# Altium PCB cPCIs_controller.pcbdoc (part 2 of 4) (continued)
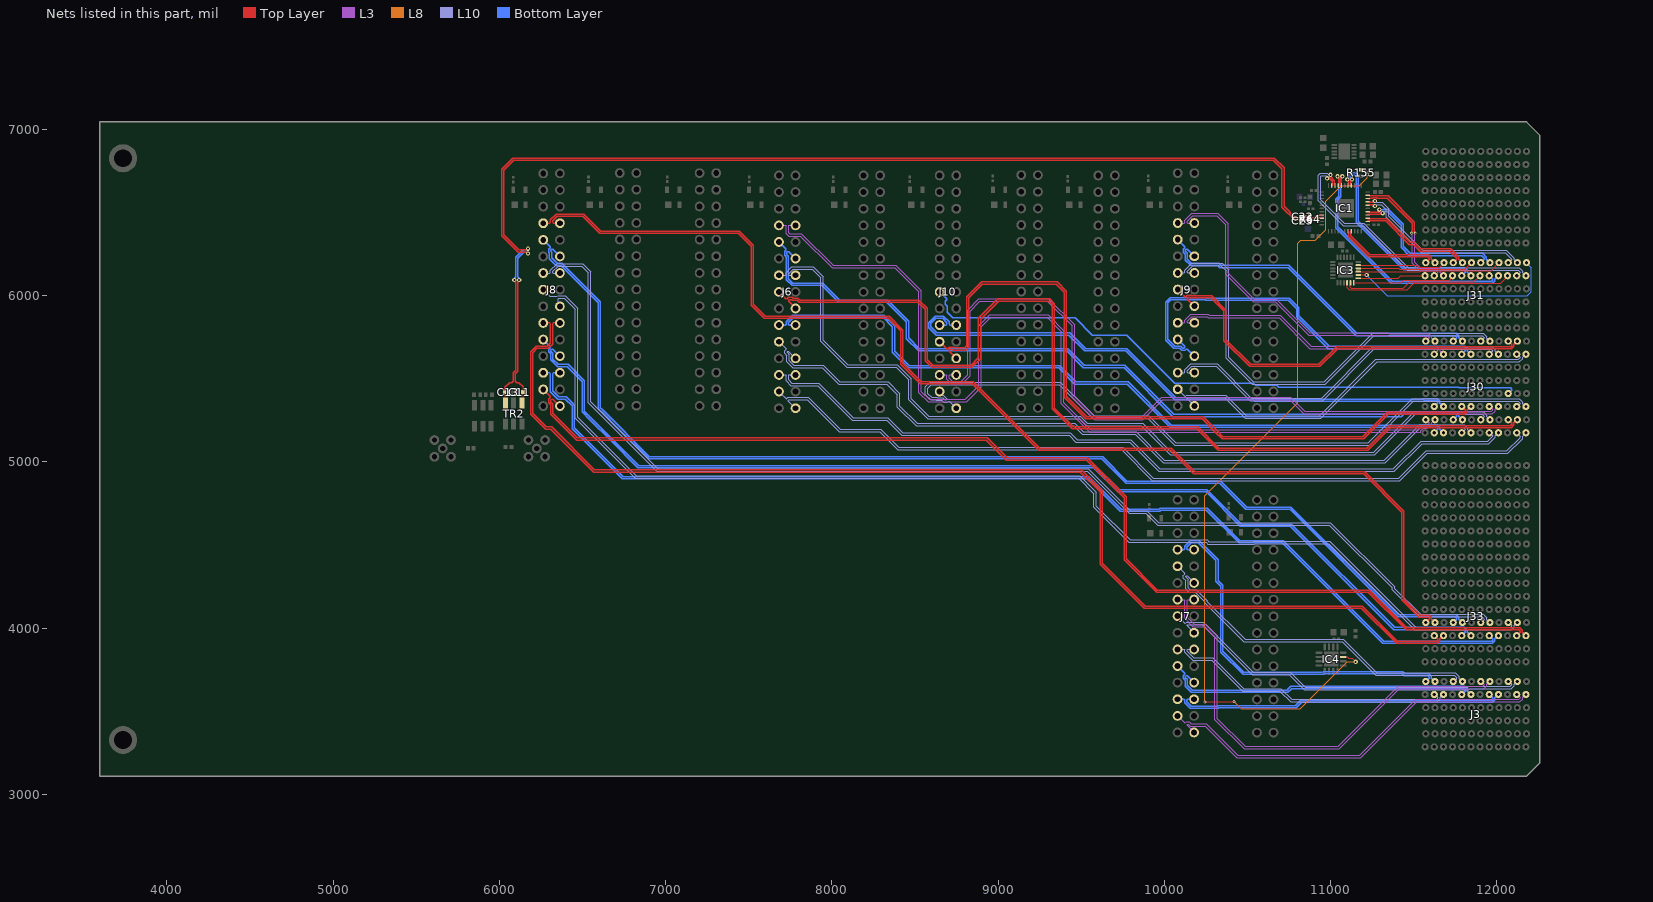
[diagram p12: the nets of this part, all layers, seen from the top]
## Nets (pads, with @x,y where several pads share a name; then routed paths per layer and width w, separated by ;. In a path a pad name is that pad's centre, name@x,y a point inside that pad or via, vN(x,y) a via of type N, cw(c..) or ccw(c..) an arc to the next point about the centre after c; other vN are vias at no path point) (continued)
8_PE_CLK_P: IC1.30 J31.K6 | length 608.1
  Top Layer w8: IC1.30@11125.57,6387.26 11122.23,6383.92 11122.23,6361 11236.23,6247 11591.17,6247 11607.43,6230.74 11607.43,6218.72 11627.34,6198.82 J31.K6@11628.49,6198.82
8_PE_CLKE#: IC3.17 J31.J6 | length 533.2
  Top Layer w5: IC3.17@11167.77,6183.53 11519.47,6183.53 11531.88,6171.12 11584.85,6171.12 11617.02,6171.12 11657.12,6171.12 11683.61,6197.61 J31.J6@11683.61,6198.82
AUX_DCXO_C_N: C13.1 C23.1 TR2.4 | length 6694.9
  Top Layer w8: TR2.4@6036,5353.6 6032.71,5356.89 C13.1@6032.71,5419 6032.71,5448.71 6061,5477 6074,5477 6083,5486 6083,5535 6098,5550 6098,6081.17 6089.93,6089.24 v1(6089.93,6094) ; v1(6172,6283) 6167.24,6283 6159.17,6274.93 6117.54,6274.93 6027,6365.47 6027,6756 6086,6815 10657,6815 10708,6764 10708,6532.77 10784.27,6456.5 10812.72,6456.5 C23.1@10819.22,6450
  Bottom Layer w8: v1(6089.93,6094) 6093.3,6097.37 6093.3,6109.3 6098,6114 6098,6230.2 6142.73,6274.93 6159.17,6274.93 6167.24,6283 v1(6172,6283)
AUX_DCXO_C_P: C11.2 C22.1 TR2.6 | length 6716
  Top Layer w8: v1(6119.07,6094) 6119.07,6089.24 6111,6081.17 6111,5544.62 6096,5529.62 6096,5486 6105,5477 6118,5477 6142.29,5452.71 C11.2@6142.29,5419 6142.29,5359.89 TR2.6@6136,5353.6 ; v1(6172,6253.87) 6167.24,6253.87 6159.17,6261.93 6112.15,6261.93 6014,6360.09 6014,6761.38 6050.74,6798.13 6080.62,6828 10662.38,6828 10721,6769.38 10721,6538.15 10789.65,6469.5 10812.72,6469.5 C22.1@10819.22,6476
  Bottom Layer w8: v1(6119.07,6094) 6115.7,6097.37 6115.7,6109.3 6111,6114 6111,6224.81 6148.12,6261.93 6159.17,6261.93 6167.24,6253.87 v1(6172,6253.87)
AUX_DCXO_N: C23.2 IC1.20 R64.2 | length 107.5
  Top Layer w8: C23.2@10848.78,6449.66 R64.2@10872.5,6449.66 ; R64.2@10877,6442.5 10877,6444 10888,6455 10911,6455 10925.34,6469.34 10944.04,6469.34 IC1.20@10947.38,6466
AUX_DCXO_P: C22.2 IC1.19 R64.1 | length 105.9
  Top Layer w8: C22.2@10848.78,6474.66 R64.1@10873.5,6474.66 ; R64.1@10877,6479.5 10887,6469.5 10906.28,6469.5 10919.12,6482.34 10944.04,6482.34 IC1.19@10947.38,6485.69
CLK_DIV: IC4.11 R155.1 | length 4880.8
  Top Layer w5: v2(10244,3556) 10245,3557 10419,3557 v2(10420,3558) ; IC4.11@11076.83,3826.8 11101.2,3826.8 11110,3818 11131.24,3818 v1(11152,3797.24) ; R155.1@11185,6757.5 11209.5,6757.5 11220.66,6746.34 11220.66,6729 v1(11219.97,6728.31)
  L8 w5: v2(10244,3556) 10244,4796 10804,5356 10804,6315.73 10821,6332.73 10908.75,6332.73 10972,6395.98 10972,6567.67 11066.33,6662 11172.89,6662 11219.97,6709.09 v1(11219.97,6728.31) ; v2(10420,3558) 10464,3514 10817,3514 11100.24,3797.24 v1(11152,3797.24)
EXT0.LVDS_0_N: J6.3 J30.B1 | length 4820.4
  L10 w5: J6.3@7682,5423 7724.63,5380.38 7728.77,5380.38 7736.09,5387.7 7767,5387.7 7767.27,5387.43 7858.78,5387.43 8050.21,5196 8294,5196 8403,5087 9749.21,5087 9935.21,4901 11410.79,4901 11575.79,5066 12061.5,5066 12140.68,5145.18 12140.68,5155.14 J30.B1@12120.62,5175.2
EXT0.LVDS_0_P: J6.2 J30.A1 | length 4832.9
  L10 w5: J6.2@7782,5323 7739.37,5365.63 7739.37,5369.77 7742.3,5372.7 7760.79,5372.7 7761.05,5372.43 7852.57,5372.43 8044,5181 8287.79,5181 8396.79,5072 9743,5072 9929,4886 11417,4886 11582,5051 12067.71,5051 12155.68,5138.97 12155.68,5155.14 J30.A1@12175.74,5175.2
EXT0.LVDS_1_N: J6.6 J30.E1 | length 4639.5
  L10 w5: J6.6@7782,5523 7742.43,5523 7739.5,5520.07 7739.5,5495 7760.5,5474 7920.21,5474 8129.21,5265 8338,5265 8428,5175 9434.21,5175 9475.21,5134 9798.21,5134 9974.21,4958 11378.79,4958 11544.79,5124 11945.3,5124 11975.32,5154.03 11975.32,5158.17 11958.3,5175.2 J30.E1@11955.27,5175.2
EXT0.LVDS_1_P: J6.5 J30.D1 | length 4689.2
  L10 w5: J6.5@7682,5523 7721.57,5523 7724.5,5520.07 7724.5,5488.79 7754.29,5459 7914,5459 8123,5250 8331.79,5250 8421.79,5160 9428,5160 9469,5119 9792,5119 9968,4943 11385,4943 11551,5109 11951.51,5109 11990.32,5147.81 11990.32,5158.17 12007.35,5175.2 J30.D1@12010.38,5175.2
EXT0.LVDS_2_N: J6.9 J30.H1 | length 4646.9
  L10 w5: J6.9@7682,5723 7724.63,5680.38 7724.63,5676.23 7717.3,5668.91 7717.3,5652.34 7729.97,5639.67 7729.97,5601.45 7765.31,5566.11 7941.89,5566.11 8042,5466 8332,5466 8394,5404 8394,5329 8507,5216 9456,5216 9506.61,5165.39 9824.61,5165.39 9995,4995 11329,4995 11542,5208 11798.34,5208 11809.97,5196.37 11809.97,5192.22 11792.94,5175.2 J30.H1@11789.91,5175.2
EXT0.LVDS_2_P: J6.8 J30.G1 | length 4634.5
  L10 w5: J6.8@7782,5623 7739.37,5665.63 7735.23,5665.63 7732.3,5662.7 7732.3,5658.56 7744.97,5645.89 7744.97,5607.66 7771.53,5581.11 7948.1,5581.11 8048.21,5481 8338.21,5481 8409,5410.21 8409,5335.21 8513.21,5231 9462.21,5231 9512.82,5180.39 9830.82,5180.39 10001.21,5010 11322.79,5010 11535.79,5223 11804.55,5223 11824.97,5202.58 11824.97,5192.22 11842,5175.2 J30.G1@11845.03,5175.2
EXT0.LVDS_3_N: J6.12 J30.K1 | length 4379.2
  Bottom Layer w8: J6.12@7782,5823 7743.19,5823 7738.5,5827.69 7738.5,5838.23 7770.27,5870 8308.62,5870 8365,5813.62 8365,5659.62 8459.62,5565 9365.62,5565 9462.62,5468 9777.62,5468 10036.77,5208.85 11638.5,5208.85 11645.62,5201.73 11645.62,5195.1 11625.71,5175.2 J30.K1@11624.56,5175.2
EXT0.LVDS_3_P: J6.11 J30.J1 | length 4422.3
  Bottom Layer w8: J6.11@7682,5823 7720.81,5823 7725.5,5827.69 7725.5,5843.62 7764.88,5883 8314,5883 8378,5819 8378,5665 8465,5578 9371,5578 9468,5481 9783,5481 10042.15,5221.85 11643.88,5221.85 11658.62,5207.11 11658.62,5195.1 11678.52,5175.2 J30.J1@11679.67,5175.2
EXT0.LVDS_4_N: J6.15 J30.C2 | length 5919.3
  Top Layer w8: J6.15@7682,6023 7724.09,5980.91 7730.72,5980.91 7739.21,5989.4 7763.17,5989.4 7766.64,5985.93 7796.18,5985.93 7809.04,5973.07 8523.93,5973.07 8574,5923 8574,5613.38 8606,5581.38 8838,5581.38 8882,5625.38 8882,5863.38 8998.81,5980.19 9310.19,5980.19 9339,5951.38 9339,5324 9452,5211 10201,5211 10329,5083 11218.62,5083 11353.62,5218 12081.1,5218 12090.5,5227.4 12090.5,5234.03 12070.59,5253.94 J30.C2@12069.44,5253.94
EXT0.LVDS_4_P: J6.14 J30.B2 | length 5930.1
  Top Layer w8: J6.14@7782,5923 7739.91,5965.09 7739.91,5971.72 7744.6,5976.4 7757.79,5976.4 7761.26,5972.93 7790.8,5972.93 7803.66,5960.07 8518.54,5960.07 8561,5917.62 8561,5608 8600.62,5568.38 8843.38,5568.38 8895,5620 8895,5858 9004.19,5967.19 9304.81,5967.19 9326,5946 9326,5318.62 9446.62,5198 10195.62,5198 10323.62,5070 11224,5070 11359,5205 12086.48,5205 12103.5,5222.02 12103.5,5234.03 12123.4,5253.94 J30.B2@12124.56,5253.94
EXT0.LVDS_5_N: J6.18 J30.F2 | length 5142
  L10 w5: J6.18@7782,6123 7742.43,6123 7739.5,6125.93 7739.5,6132.86 7766.66,6160.03 7797.34,6160.03 7797.76,6159.61 7883.39,6159.61 7934.21,6108.79 7934.21,5724.57 8089.79,5569 8387,5569 8463,5493 8463,5372.79 8576.79,5259 9489,5259 9532,5216 9863,5216 10037,5042 11267,5042 11511,5286 11913.25,5286 11924.14,5275.11 11924.14,5270.96 11907.12,5253.94 J30.F2@11904.08,5253.94
EXT0.LVDS_5_P: J6.17 J30.E2 | length 5191.7
  L10 w5: J6.17@7682,6123 7721.57,6123 7724.5,6125.93 7724.5,6139.08 7760.45,6175.03 7803.55,6175.03 7803.97,6174.61 7889.61,6174.61 7949.21,6115 7949.21,5730.79 8096,5584 8393.21,5584 8478,5499.21 8478,5379 8583,5274 9495.21,5274 9538.21,5231 9869.21,5231 10043.21,5057 11260.79,5057 11504.79,5301 11919.46,5301 11939.14,5281.32 11939.14,5270.96 11956.17,5253.94 J30.E2@11959.2,5253.94
EXT0.LVDS_6_N: J6.21 J30.I2 | length 4730.7
  Bottom Layer w8: J6.21@7682,6323 7724.09,6280.91 7724.09,6274.28 7715.6,6265.79 7715.6,6241.83 7725.81,6231.62 7725.81,6096.81 7760.62,6062 7941,6062 8042.93,5960.07 8330.54,5960.07 8449,5841.62 8449,5740.69 8521.69,5668 9412.62,5668 9513.62,5567 9758.47,5567 10052.54,5272.93 11426.55,5272.93 11440.62,5287 11592.62,5287 11593.21,5287.59 11752.67,5287.59 11759.79,5280.47 11759.79,5273.84 11739.88,5253.94 J30.I2@11738.73,5253.94
EXT0.LVDS_6_P: J6.20 J30.H2 | length 4719.9
  Bottom Layer w8: J6.20@7782,6223 7739.91,6265.09 7733.28,6265.09 7728.6,6260.4 7728.6,6247.21 7738.81,6237 7738.81,6102.19 7766,6075 7946.38,6075 8048.31,5973.07 8335.93,5973.07 8462,5847 8462,5746.07 8527.07,5681 9418,5681 9519,5580 9763.86,5580 10057.93,5285.93 11421.16,5285.93 11435.23,5300 11587.23,5300 11587.82,5300.59 11758.05,5300.59 11772.79,5285.85 11772.79,5273.84 11792.7,5253.94 J30.H2@11793.85,5253.94
EXT0.LVDS_7_N: J6.24 J30.L2 | length 5717.9
  L3 w5: J6.24@7782,6423 7742.43,6423 7739.5,6420.07 7739.5,6380 7745.93,6373.57 7817.64,6373.57 8008.21,6183 8386.21,6183 8539,6030.21 8539,5423 8585,5377 8804.3,5377 8884,5456.7 8884,5818.21 8949.79,5884 9303,5884 9396.61,5790.39 9396.61,5356.61 9559.21,5194 11527.86,5194 11551.75,5217.89 11578.56,5217.89 11593.43,5232.77 11593.43,5236.91 11576.41,5253.94 J30.L2@11573.38,5253.94
EXT0.LVDS_7_P: J6.23 J30.K2 | length 5773.7
  L3 w5: J6.23@7682,6423 7721.57,6423 7724.5,6420.07 7724.5,6373.79 7739.72,6358.57 7811.43,6358.57 8002,6168 8380,6168 8524,6024 8524,5416.79 8578.79,5362 8810.52,5362 8899,5450.48 8899,5812 8956,5869 9296.79,5869 9381.61,5784.18 9381.61,5350.39 9553,5179 11541.74,5179 11541.74,5186.67 11557.97,5202.89 11580.91,5202.89 11582.84,5200.96 11608.43,5226.55 11608.43,5236.91 11625.46,5253.94 J30.K2@11628.49,5253.94
EXT1.LVDS_0_N: J3.B5 J7.3 | length 2339.6
  L3 w5: J7.3@10080,3472 10122.63,3429.38 10126.77,3429.38 10134.09,3436.7 10150.66,3436.7 10163.33,3424.03 10252.97,3424.03 10443,3234 11176,3234 11513.24,3571.24 12132.7,3571.24 12140.68,3579.22 12140.68,3583.36 12123.65,3600.39 J3.B5@12120.62,3600.39
EXT1.LVDS_0_P: J3.A5 J7.2 | length 2352
  L3 w5: J7.2@10180,3372 10137.37,3414.63 10137.37,3418.77 10140.3,3421.7 10144.45,3421.7 10157.11,3409.03 10246.76,3409.03 10436.79,3219 11182.21,3219 11519.45,3556.24 12138.91,3556.24 12155.68,3573.01 12155.68,3583.36 12172.71,3600.39 J3.A5@12175.74,3600.39
EXT1.LVDS_1_N: J3.E5 J7.6 | length 1960.6
  Bottom Layer w8: J7.6@10180,3572 10141.19,3572 10136.5,3567.32 10136.5,3556.77 10162.8,3530.47 10319.56,3530.47 10322.09,3533 10787.62,3533 10821.35,3566.74 11969.21,3566.74 11976.32,3573.86 11976.32,3580.49 11956.42,3600.39 J3.E5@11955.27,3600.39
EXT1.LVDS_1_P: J3.D5 J7.5 | length 2003.7
  Bottom Layer w8: J7.5@10080,3572 10118.81,3572 10123.5,3567.32 10123.5,3551.39 10157.41,3517.47 10324.94,3517.47 10327.47,3520 10793,3520 10826.74,3553.74 11974.59,3553.74 11989.32,3568.47 11989.32,3580.49 12009.23,3600.39 J3.D5@12010.38,3600.39
EXT1.LVDS_2_N: J3.H5 J7.9 | length 1898.3
  Bottom Layer w8: J7.9@10080,3772 10122.09,3729.91 10122.09,3723.28 10113.6,3714.79 10113.6,3697.39 10125.47,3685.52 10125.47,3649.42 10161.89,3613 10743,3613 10766,3636 11801.9,3636 11810.97,3626.93 11810.97,3620.3 11791.06,3600.39 J3.H5@11789.91,3600.39
EXT1.LVDS_2_P: J3.G5 J7.8 | length 1887.5
  Bottom Layer w8: J7.8@10180,3672 10137.91,3714.09 10131.28,3714.09 10126.6,3709.41 10126.6,3702.78 10138.47,3690.9 10138.47,3654.8 10167.27,3626 10737.62,3626 10760.62,3649 11807.28,3649 11823.97,3632.31 11823.97,3620.3 11843.88,3600.39 J3.G5@11845.03,3600.39
EXT1.LVDS_3_N: J3.K5 J7.12 | length 1719
  L10 w5: J7.12@10180,3887 10165,3872 10140.43,3872 10137.5,3869.07 10137.5,3862.14 10177.06,3822.57 10291.64,3822.57 10478.78,3635.43 10701.78,3635.43 10765.97,3571.24 11636.63,3571.24 11644.62,3579.22 11644.62,3583.36 11627.59,3600.39 J3.K5@11624.56,3600.39
EXT1.LVDS_3_P: J3.J5 J7.11 | length 1762.5
  L10 w5: J7.11@10080,3872 10119.57,3872 10122.5,3869.07 10122.5,3855.92 10170.85,3807.57 10285.43,3807.57 10472.57,3620.43 10695.57,3620.43 10759.76,3556.24 11642.85,3556.24 11659.62,3573.01 11659.62,3583.36 11676.64,3600.39 J3.J5@11679.67,3600.39
EXT1.LVDS_4_N: J3.C6 J7.15 | length 2229.9
  L10 w5: J7.15@10080,4072 10122.63,4029.37 10126.77,4029.37 10134.09,4036.7 10165,4036.7 10165.27,4036.43 10233.99,4036.43 10535.42,3735 10757,3735 10848,3644 11826,3644 11831.98,3649.98 12081.51,3649.98 12089.5,3657.96 12089.5,3662.1 12072.47,3679.13 J3.C6@12069.44,3679.13
EXT1.LVDS_4_P: J3.B6 J7.14 | length 2242.3
  L10 w5: J7.14@10180,3972 10137.37,4014.63 10137.37,4018.77 10140.3,4021.7 10158.79,4021.7 10159.05,4021.43 10227.78,4021.43 10529.21,3720 10750.79,3720 10841.79,3629 11832.21,3629 11838.19,3634.98 12087.73,3634.98 12104.5,3651.75 12104.5,3662.1 12121.53,3679.13 J3.B6@12124.56,3679.13
EXT1.LVDS_5_N: J3.F6 J7.18 | length 2731.7
  L3 w5: J7.18@10180,4172 10140.43,4172 10137.5,4169.07 10137.5,4064.2 10179.12,4022.57 10250.64,4022.57 10320,3953.21 10320,3456 10487,3289 11048,3289 11408.98,3649.98 11916.16,3649.98 11924.14,3657.96 11924.14,3662.1 11907.12,3679.13 J3.F6@11904.08,3679.13
EXT1.LVDS_5_P: J3.E6 J7.17 | length 2781.4
  L3 w5: J7.17@10080,4172 10119.57,4172 10122.5,4169.07 10122.5,4057.98 10172.91,4007.57 10244.43,4007.57 10305,3947 10305,3449.79 10480.79,3274 11054.21,3274 11415.19,3634.98 11922.37,3634.98 11939.14,3651.75 11939.14,3662.1 11956.17,3679.13 J3.E6@11959.2,3679.13
EXT1.LVDS_6_N: J3.I6 J7.21 | length 2049.2
  L10 w5: J7.21@10080,4372 10122.63,4329.37 10122.63,4325.23 10115.3,4317.91 10115.3,4301.34 10127.97,4288.67 10127.97,4235.81 10148.68,4215.11 10187.2,4215.11 10243.55,4158.76 10243.55,4153.24 10479.79,3917 11070,3917 11271.15,3715.85 11743.24,3715.85 11758.79,3700.3 11758.79,3696.16 11741.76,3679.13 J3.I6@11738.73,3679.13
EXT1.LVDS_6_P: J3.H6 J7.20 | length 2036.8
  L10 w5: J7.20@10180,4272 10137.37,4314.63 10133.23,4314.63 10130.3,4311.7 10130.3,4307.55 10142.97,4294.89 10142.97,4242.03 10154.89,4230.11 10193.41,4230.11 10258.72,4164.79 10258.72,4159.28 10486,3932 11076.21,3932 11277.36,3730.85 11749.46,3730.85 11773.79,3706.52 11773.79,3696.16 11790.82,3679.13 J3.H6@11793.85,3679.13
EXT1.LVDS_7_N: J3.L6 J7.24 | length 2205.2
  Bottom Layer w8: J7.24@10180,4472 10141.19,4472 10136.5,4476.69 10136.5,4487.23 10162.8,4513.53 10204.47,4513.53 10311,4407 10311,4280.62 10339,4252.62 10339,3855.76 10473.83,3720.93 10956.88,3720.93 10960.95,3725 11431,3725 11443.21,3712.79 11587.32,3712.79 11594.43,3705.67 11594.43,3699.04 11574.53,3679.13 J3.L6@11573.38,3679.13
EXT1.LVDS_7_P: J3.K6 J7.23 | length 2248.3
  Bottom Layer w8: J7.23@10080,4472 10118.81,4472 10123.5,4476.69 10123.5,4492.61 10157.41,4526.53 10209.86,4526.53 10324,4412.38 10324,4286 10352,4258 10352,3861.15 10479.22,3733.93 10951.5,3733.93 10955.57,3738 11436.38,3738 11448.6,3725.79 11592.7,3725.79 11607.43,3711.05 11607.43,3699.04 11627.34,3679.13 J3.K6@11628.49,3679.13
EXT2.LVDS_0_N: J8.3 J33.B3 | length 6803.5
  Top Layer w8: J8.3@6264,5436 6306.09,5393.91 6306.09,5387.28 6297.6,5378.79 6297.6,5354.83 6309.47,5342.96 6309.47,5286.14 6464.62,5131 8929.62,5131 9049.62,5011 9532.62,5011 9758.71,4784.9 9758.71,4410.9 9953.62,4216 11227.62,4216 11454.62,3989 12133.94,3989 12141.68,3981.26 12141.68,3974.63 12121.77,3954.72 J33.B3@12120.62,3954.72
EXT2.LVDS_0_P: J8.2 J33.A3 | length 6792.7
  Top Layer w8: J8.2@6364,5336 6321.91,5378.09 6315.28,5378.09 6310.6,5373.41 6310.6,5360.22 6322.47,5348.34 6322.47,5291.53 6470,5144 8935,5144 9055,5024 9538,5024 9771.71,4790.29 9771.71,4416.29 9959,4229 11233,4229 11460,4002 12139.32,4002 12154.68,3986.64 12154.68,3974.63 12174.59,3954.72 J33.A3@12175.74,3954.72
EXT2.LVDS_1_N: J8.6 J33.E3 | length 6554.2
  Bottom Layer w8: J8.6@6364,5536 6325.19,5536 6320.5,5531.32 6320.5,5427.08 6356.66,5390.92 6401.08,5390.92 6440,5352 6450,5342 6450,5205 6744,4911 9546,4911 9741.81,4715.19 9968.19,4715.19 9975.07,4722.07 10259.08,4722.07 10455.15,4526 10716.38,4526 11321.38,3921 11969.14,3921 11976.32,3928.19 11976.32,3934.82 11956.42,3954.72 J33.E3@11955.27,3954.72
EXT2.LVDS_1_P: J8.5 J33.D3 | length 6597.3
  Bottom Layer w8: J8.5@6264,5536 6302.81,5536 6307.5,5531.32 6307.5,5421.69 6351.27,5377.92 6395.7,5377.92 6437,5336.62 6437,5199.62 6444.62,5192 6738.62,4898 9540.62,4898 9736.42,4702.19 9973.58,4702.19 9980.46,4709.07 10253.69,4709.07 10449.76,4513 10711,4513 11316,3908 11974.52,3908 11989.32,3922.8 11989.32,3934.82 12009.23,3954.72 J33.D3@12010.38,3954.72
EXT2.LVDS_2_N: J8.9 J33.H3 | length 6469.1
  Bottom Layer w8: J8.9@6264,5736 6306.09,5693.91 6306.09,5687.28 6297.6,5678.79 6297.6,5661.39 6309.47,5649.52 6309.47,5613.42 6349.82,5573.07 6408.54,5573.07 6498,5483.62 6498,5300.62 6543.81,5254.81 6668.62,5130 6833.62,4965 9577,4965 9723,4819 10251.62,4819 10457.62,4613 10758.62,4613 11380.35,3991.27 11800.96,3991.27 11810.97,3981.26 11810.97,3974.63 11791.06,3954.72 J33.H3@11789.91,3954.72
EXT2.LVDS_2_P: J8.8 J33.G3 | length 6458.4
  Bottom Layer w8: J8.8@6364,5636 6321.91,5678.09 6315.28,5678.09 6310.6,5673.41 6310.6,5666.78 6322.47,5654.9 6322.47,5618.8 6355.2,5586.07 6413.93,5586.07 6511,5489 6511,5306 6544.69,5272.31 6839,4978 9582.38,4978 9728.38,4832 10257,4832 10463,4626 10764,4626 11385.73,4004.27 11806.35,4004.27 11823.97,3986.64 11823.97,3974.63 11843.88,3954.72 J33.G3@11845.03,3954.72
EXT2.LVDS_3_N: J8.12 J33.K3 | length 6980.7
  Top Layer w8: J8.12@6364,5836 6325.19,5836 6320.5,5831.32 6320.5,5709.12 6294.38,5683 6226,5683 6201,5658 6201,5292 6283,5210 6314,5210 6572,4952 9501.38,4952 9628,4825.38 9628,4390 9885,4133 11191,4133 11402.93,3921.07 11638.5,3921.07 11645.62,3928.19 11645.62,3934.82 11625.71,3954.72 J33.K3@11624.56,3954.72
EXT2.LVDS_3_P: J8.11 J33.J3 | length 7023.8
  Top Layer w8: J8.11@6264,5836 6302.81,5836 6307.5,5831.32 6307.5,5714.5 6289,5696 6220.62,5696 6188,5663.38 6188,5286.62 6277.62,5197 6308.62,5197 6566.62,4939 9496,4939 9615,4820 9615,4384.62 9879.62,4120 11185.62,4120 11397.55,3908.07 11643.88,3908.07 11658.62,3922.8 11658.62,3934.82 11678.52,3954.72 J33.J3@11679.67,3954.72
EXT2.LVDS_4_N: J8.15 J33.C4 | length 7139.6
  L10 w5: J8.15@6264,6036 6304.52,5995.48 6345.46,5995.48 6350.41,6000.43 6395.78,6000.43 6471,5925.21 6471,5269 6824,4916 9491,4916 9591,4816 9591,4734 9794,4531 10257.9,4531 10268.74,4520.16 10535.64,4520.16 10537.05,4521.57 10994.43,4521.57 11512,4004 12081.2,4004 12089.5,4012.29 12089.5,4016.44 12072.47,4033.46 J33.C4@12069.44,4033.46
EXT2.LVDS_4_P: J8.14 J33.B4 | length 7107.9
  L10 w5: J8.14@6364,5936 6353.7,5946.3 6353.7,5982.5 6356.63,5985.43 6389.57,5985.43 6456,5919 6456,5262.79 6817.79,4901 9484.79,4901 9576,4809.79 9576,4727.79 9787.79,4516 10251.69,4516 10262.53,4505.16 10541.86,4505.16 10543.27,4506.57 10988.22,4506.57 11505.79,3989 12087.42,3989 12104.5,4006.08 12104.5,4016.44 12121.53,4033.46 J33.B4@12124.56,4033.46
EXT2.LVDS_5_N: J8.18 J33.F4 | length 7042.2
  L10 w5: J8.18@6364,6136 6324.43,6136 6321.5,6138.93 6321.5,6145.86 6353.64,6178 6495,6178 6535,6138 6535,5354.79 6946.79,4943 9537.79,4943 9788.79,4692 9887.79,4692 9959.79,4620 10993,4620 11371,4242 11371,4231.79 11535.79,4067 11911.78,4067 11924.14,4054.63 11924.14,4050.49 11907.12,4033.46 J33.F4@11904.08,4033.46
EXT2.LVDS_5_P: J8.17 J33.E4 | length 7091.9
  L10 w5: J8.17@6264,6136 6303.57,6136 6306.5,6138.93 6306.5,6152.08 6347.42,6193 6501.21,6193 6550,6144.21 6550,5361 6953,4958 9544,4958 9795,4707 9894,4707 9966,4635 10999.21,4635 11386,4248.21 11386,4238 11542,4082 11917.99,4082 11939.14,4060.85 11939.14,4050.49 11956.17,4033.46 J33.E4@11959.2,4033.46
EXT2.LVDS_6_N: J8.21 J33.I4 | length 6899.7
  Bottom Layer w8: J8.21@6264,6336 6306.09,6293.91 6306.09,6287.28 6297.6,6278.79 6297.6,6261.39 6301.07,6257.92 6301.07,6221.82 6341.41,6181.47 6370.95,6181.47 6595.21,5957.21 6595.21,5320.4 6620.81,5294.81 6716.62,5199 6897.62,5018 9624,5018 9770,4872 10334.62,4872 10491.62,4715 10757,4715 11404.88,4067.12 11752.67,4067.12 11759.79,4060 11759.79,4053.37 11739.88,4033.46 J33.I4@11738.73,4033.46
EXT2.LVDS_6_P: J8.20 J33.H4 | length 6888.9
  Bottom Layer w8: J8.20@6364,6236 6321.91,6278.09 6315.28,6278.09 6310.6,6273.4 6310.6,6266.78 6314.07,6263.3 6314.07,6227.2 6346.8,6194.47 6376.34,6194.47 6608.21,5962.6 6608.21,5325.79 6621.69,5312.31 6903,5031 9629.38,5031 9775.38,4885 10340,4885 10497,4728 10762.38,4728 11410.27,4080.12 11758.05,4080.12 11772.79,4065.38 11772.79,4053.37 11792.7,4033.46 J33.H4@11793.85,4033.46
EXT2.LVDS_7_N: J8.24 J33.L4 | length 7013.6
  Top Layer w8: J8.24@6364,6436 6325.19,6436 6320.5,6440.69 6320.5,6451.23 6346.8,6477.53 6501.47,6477.53 6603.93,6375.07 7436.93,6375.07 7515,6297 7515,5942.52 7593.62,5863.9 8339.1,5863.9 8415,5788 8415,5586.62 8532.62,5469 8845.62,5469 9244.62,5070 10036.62,5070 10178.62,4928 11199.62,4928 11429.21,4698.4 11429.21,4169.4 11534.62,4064 11590.43,4064 11594.43,4060 11594.43,4053.37 11574.53,4033.46 J33.L4@11573.38,4033.46
EXT2.LVDS_7_P: J8.23 J33.K4 | length 7056.7
  Top Layer w8: J8.23@6264,6436 6302.81,6436 6307.5,6440.69 6307.5,6456.61 6341.41,6490.53 6506.86,6490.53 6609.31,6388.07 7442.31,6388.07 7528,6302.38 7528,5947.9 7599,5876.9 8344.48,5876.9 8428,5793.38 8428,5592 8538,5482 8851,5482 9250,5083 10042,5083 10184,4941 11205,4941 11442.21,4703.79 11442.21,4174.79 11540,4077 11595.82,4077 11607.43,4065.38 11607.43,4053.37 11627.34,4033.46 J33.K4@11628.49,4033.46
EXT3.LVDS_0_N: J9.3 J30.B7 | length 2308
  L10 w5: J9.3@10081,5437 10123.63,5394.38 10127.77,5394.38 10135.09,5401.7 10166,5401.7 10166.27,5401.43 10369.57,5401.43 10494,5277 10934.79,5277 11273.79,5616 12130.21,5616 12140.68,5626.47 12140.68,5630.61 12123.65,5647.64 J30.B7@12120.62,5647.64
EXT3.LVDS_0_P: J9.2 J30.A7 | length 2320.5
  L10 w5: J9.2@10181,5337 10138.37,5379.63 10138.37,5383.77 10141.3,5386.7 10159.79,5386.7 10160.05,5386.43 10363.36,5386.43 10487.79,5262 10941,5262 11280,5601 12136.43,5601 12155.68,5620.25 12155.68,5630.61 12172.71,5647.64 J30.A7@12175.74,5647.64
EXT3.LVDS_1_N: J9.6 J30.E7 | length 2146.5
  L10 w5: J9.6@10181,5537 10141.43,5537 10138.5,5539.93 10138.5,5546.87 10165.66,5574.03 10311.76,5574.03 10517.79,5368 10953,5368 11261.61,5676.61 11909.78,5676.61 11909.96,5676.79 11967.34,5676.79 11975.32,5668.81 11975.32,5664.67 11958.3,5647.64 J30.E7@11955.27,5647.64
EXT3.LVDS_1_P: J9.5 J30.D7 | length 2196.2
  L10 w5: J9.5@10081,5537 10120.57,5537 10123.5,5539.93 10123.5,5553.08 10159.45,5589.03 10317.97,5589.03 10524,5383 10946.79,5383 11255.39,5691.61 11903.56,5691.61 11903.75,5691.79 11973.55,5691.79 11990.32,5675.02 11990.32,5664.67 12007.35,5647.64 J30.D7@12010.38,5647.64
EXT3.LVDS_2_N: J9.9 J30.H7 | length 2395.1
  Bottom Layer w8: J9.9@10081,5737 10123.09,5694.91 10123.09,5688.28 10118.4,5683.6 10111.78,5683.6 10099.9,5695.47 10063.8,5695.47 10022,5737.27 10022,5956 10040.07,5974.07 10246,5974.07 10249.07,5971 10746,5971 10796,5921 10796,5872.62 10987.32,5681.29 11803.85,5681.29 11810.97,5674.17 11810.97,5667.54 11791.06,5647.64 J30.H7@11789.91,5647.64
EXT3.LVDS_2_P: J9.8 J30.G7 | length 2470.5
  Bottom Layer w8: J9.8@10181,5637 10138.91,5679.09 10132.28,5679.09 10123.79,5670.6 10106.39,5670.6 10094.52,5682.47 10058.41,5682.47 10009,5731.89 10009,5961.38 10034.69,5987.07 10251.38,5987.07 10254.46,5984 10751.38,5984 10809,5926.38 10809,5878 10992.71,5694.29 11809.24,5694.29 11823.97,5679.56 11823.97,5667.54 11843.88,5647.64 J30.G7@11845.03,5647.64
EXT3.LVDS_3_N: J9.12 J30.K7 | length 1684.3
  L3 w5: J9.12@10181,5837 10141.43,5837 10138.5,5839.93 10138.5,5846.87 10165.66,5874.03 10258,5874.03 10265.03,5867 10691.79,5867 10876.79,5682 11631.42,5682 11644.62,5668.81 11644.62,5664.67 11627.59,5647.64 J30.K7@11624.56,5647.64
EXT3.LVDS_3_P: J9.11 J30.J7 | length 1734
  L3 w5: J9.11@10081,5837 10120.57,5837 10123.5,5839.93 10123.5,5853.08 10159.45,5889.03 10264.46,5889.03 10271.49,5882 10698,5882 10883,5697 11637.64,5697 11659.62,5675.02 11659.62,5664.67 11676.64,5647.64 J30.J7@11679.67,5647.64
EXT3.LVDS_4_N: J9.15 J30.C8 | length 2390.8
  Top Layer w8: J9.15@10081,6037 10123.09,5994.91 10129.72,5994.91 10138.21,6003.4 10162.17,6003.4 10165.64,5999.93 10284.46,5999.93 10371,5913.38 10371,5735 10519.07,5586.93 10930.55,5586.93 11037.13,5693.51 11989.69,5693.51 11990.48,5692.72 12083.38,5692.72 12090.5,5699.84 12090.5,5706.47 12070.59,5726.38 J30.C8@12069.44,5726.38
EXT3.LVDS_4_P: J9.14 J30.B8 | length 2401.6
  Top Layer w8: J9.14@10181,5937 10138.91,5979.09 10138.91,5985.72 10143.6,5990.4 10156.79,5990.4 10160.26,5986.93 10279.07,5986.93 10358,5908 10358,5729.62 10513.68,5573.93 10935.93,5573.93 11042.51,5680.51 11984.3,5680.51 11985.09,5679.72 12088.76,5679.72 12103.5,5694.46 12103.5,5706.47 12123.4,5726.38 J30.B8@12124.56,5726.38
EXT3.LVDS_5_N: J9.18 J30.F8 | length 2608.5
  L10 w5: J9.18@10181,6137 10141.43,6137 10138.5,6139.93 10138.5,6146.86 10171.03,6179.39 10341.39,6179.39 10372.09,6148.7 10372.09,5623.7 10528.79,5467 10970,5467 11261,5758 11913.69,5758 11924.14,5747.55 11924.14,5743.41 11907.12,5726.38 J30.F8@11904.08,5726.38
EXT3.LVDS_5_P: J9.17 J30.E8 | length 2658.2
  L10 w5: J9.17@10081,6137 10120.57,6137 10123.5,6139.93 10123.5,6153.08 10164.82,6194.39 10347.61,6194.39 10387.09,6154.91 10387.09,5629.91 10535,5482 10963.79,5482 11254.79,5773 11919.9,5773 11939.14,5753.76 11939.14,5743.41 11956.17,5726.38 J30.E8@11959.2,5726.38
EXT3.LVDS_6_N: J9.21 J30.I8 | length 2009.4
  Bottom Layer w8: J9.21@10081,6337 10123.09,6294.91 10123.09,6288.28 10114.6,6279.79 10114.6,6262.39 10126.47,6250.52 10126.47,6214.41 10158.41,6182.47 10321.14,6182.47 10334.62,6169 10744.62,6169 11154.17,5759.45 11679.42,5759.45 11680,5760.03 11752.67,5760.03 11759.79,5752.91 11759.79,5746.28 11739.88,5726.38 J30.I8@11738.73,5726.38
EXT3.LVDS_6_P: J9.20 J30.H8 | length 2028.8
  Bottom Layer w8: J9.20@10155.81,6246.81 10155.81,6228.15 J9.20@10163.98,6219.98 ; J9.20@10181,6237 10138.91,6279.09 10132.28,6279.09 10127.6,6274.4 10127.6,6267.78 10139.47,6255.9 10139.47,6219.8 10163.8,6195.47 10326.53,6195.47 10340,6182 10750,6182 11159.55,5772.45 11674.03,5772.45 11674.62,5773.03 11758.05,5773.03 11772.79,5758.3 11772.79,5746.28 11792.7,5726.38 J30.H8@11793.85,5726.38
EXT3.LVDS_7_N: J9.24 J30.L8 | length 2028.8
  L3 w5: J9.24@10181,6437 10141.43,6437 10138.5,6439.93 10138.5,6446.86 10171.64,6480 10317,6480 10370,6427 10370,6128.79 10536.19,5962.6 10668.71,5962.6 10698.05,5933.25 10698.05,5932.95 10869,5762 11340,5762 11346.47,5755.53 11585.45,5755.53 11593.43,5747.55 11593.43,5743.41 11576.41,5726.38 J30.L8@11573.38,5726.38
EXT3.LVDS_7_P: J9.23 J30.K8 | length 2078.5
  L3 w5: J9.23@10081,6437 10120.57,6437 10123.5,6439.93 10123.5,6453.08 10165.42,6495 10323.21,6495 10385,6433.21 10385,6135 10542.4,5977.6 10674.92,5977.6 10713.05,5939.47 10713.05,5939.16 10875.21,5777 11346.21,5777 11352.68,5770.53 11591.66,5770.53 11608.43,5753.76 11608.43,5743.41 11625.46,5726.38 J30.K8@11628.49,5726.38
EXT4.LVDS_0_N: J10.3 J30.B3 | length 4093.6
  L10 w5: J10.3@8649,5423 8691.63,5380.38 8691.63,5376.23 8688.7,5373.3 8680.2,5373.3 8667.53,5385.97 8633.66,5385.97 8632.24,5387.39 8602.39,5387.39 8578.39,5411.39 8578.39,5444.39 8598,5464 9367,5464 9569,5262 9901,5262 10063,5100 11235,5100 11499,5364 12130.53,5364 12140.68,5353.85 12140.68,5349.7 12123.65,5332.68 J30.B3@12120.62,5332.68
EXT4.LVDS_0_P: J10.2 J30.A3 | length 4180.6
  L10 w5: J10.2@8749,5323 8706.37,5365.63 8702.23,5365.63 8694.91,5358.3 8673.98,5358.3 8661.31,5370.97 8627.45,5370.97 8626.03,5372.39 8596.18,5372.39 8563.39,5405.18 8563.39,5450.61 8591.79,5479 9373.21,5479 9575.21,5277 9907.21,5277 10069.21,5115 11228.79,5115 11492.79,5379 12136.74,5379 12155.68,5360.06 12155.68,5349.7 12172.71,5332.68 J30.A3@12175.74,5332.68
EXT4.LVDS_1_N: J10.6 J30.E3 | length 4436.3
  L3 w5: J10.6@8749,5523 8709.43,5523 8706.5,5520.07 8706.5,5503.5 8725,5485 8779,5485 8817,5523 8817,5912.7 8885.3,5981 9303,5981 9460.11,5823.89 9460.11,5395.11 9587.21,5268 9865.79,5268 9985.79,5388 10761,5388 10844.02,5304.98 11706.21,5304.98 11707.67,5303.52 11967.34,5303.52 11975.32,5311.51 11975.32,5315.65 11958.3,5332.68 J30.E3@11955.27,5332.68
EXT4.LVDS_1_P: J10.5 J30.D3 | length 4486
  L3 w5: J10.5@8649,5523 8688.57,5523 8691.5,5520.07 8691.5,5497.29 8718.79,5470 8785.21,5470 8832,5516.79 8832,5906.48 8891.52,5966 9296.79,5966 9445.11,5817.68 9445.11,5388.89 9581,5253 9746,5253 9872,5253 9992,5373 10754.79,5373 10837.81,5289.98 11700,5289.98 11701.46,5288.52 11973.55,5288.52 11990.32,5305.29 11990.32,5315.65 12007.35,5332.68 J30.D3@12010.38,5332.68
EXT4.LVDS_2_N: J10.9 J30.H3 | length 4378.3
  Top Layer w8: J10.9@8649,5723 8691.09,5680.91 8697.72,5680.91 8706.21,5689.41 8730.17,5689.41 8733.64,5685.93 8799,5685.93 8811,5697.93 8811,5993.38 8900.62,6083 9355.38,6083 9411,6027.38 9411,5394 9533.5,5271.5 10233.5,5271.5 10313,5192 10353,5152 11195.62,5152 11342.64,5299.02 11803.85,5299.02 11810.97,5306.14 11810.97,5312.77 11791.06,5332.68 J30.H3@11789.91,5332.68
EXT4.LVDS_2_P: J10.8 J30.G3 | length 4389.1
  Top Layer w8: J10.8@8749,5623 8706.91,5665.09 8706.91,5671.72 8711.6,5676.41 8724.79,5676.41 8728.26,5672.93 8804.38,5672.93 8824,5692.55 8824,5988 8906,6070 9350,6070 9398,6022 9398,5388.62 9528.12,5258.5 10228.12,5258.5 10307.96,5178.65 10347.62,5139 11201,5139 11348.02,5286.02 11809.24,5286.02 11823.97,5300.76 11823.97,5312.77 11843.88,5332.68 J30.G3@11845.03,5332.68
EXT4.LVDS_3_N: J10.12 J30.K3 | length 3531.9
  Bottom Layer w8: J10.12@8749,5823 8710.19,5823 8705.5,5827.69 8705.5,5843.62 8671.59,5877.53 8621.14,5877.53 8582,5838.38 8582,5808.23 8627.23,5763 9426,5763 9521,5668 9769.62,5668 10063.54,5374.07 10536.12,5374.07 10545.19,5365 11561.66,5365 11562.99,5366.33 11638.5,5366.33 11645.62,5359.21 11645.62,5352.58 11625.71,5332.68 J30.K3@11624.56,5332.68
EXT4.LVDS_3_P: J10.11 J30.J3 | length 3488.8
  Bottom Layer w8: J10.11@8649,5823 8687.81,5823 8692.5,5827.69 8692.5,5838.23 8666.2,5864.53 8626.53,5864.53 8595,5833 8595,5813.62 8632.62,5776 9431.38,5776 9526.38,5681 9775,5681 10068.93,5387.07 10541.5,5387.07 10550.58,5378 11556.28,5378 11557.61,5379.33 11643.88,5379.33 11658.62,5364.6 11658.62,5352.58 11678.52,5332.68 J30.J3@11679.67,5332.68
EXT4.LVDS_4_N: J10.15 J30.C4 | length 3772
  Bottom Layer w8: J10.15@8649,6023 8691.09,5980.91 8691.09,5974.28 8682.6,5965.79 8682.6,5948.39 8694.47,5936.52 8694.47,5900.41 8728.69,5866.19 9464.81,5866.19 9568,5763 9773.62,5763 10062.54,5474.07 10536.12,5474.07 10549.12,5461.07 10676.14,5461.07 10689.26,5447.96 11753.96,5447.96 11754,5448 11772.39,5448 11775.32,5445.07 12083.38,5445.07 12090.5,5437.95 12090.5,5431.32 12070.59,5411.42 J30.C4@12069.44,5411.42

## Text inside footprints (layer, text, board x,y; h text height)
J33: Top Overlay "8" at 11390.3,4334.64 h39.37 r90; Top Overlay "7" at 11390.3,4255.9 h39.37 r90; Top Overlay "6" at 11390.3,4177.16 h39.37 r90; Top Overlay "5" at 11390.3,4098.42 h39.37 r90; Top Overlay "4" at 11390.3,4019.68 h39.37 r90; Top Overlay "3" at 11390.3,3940.94 h39.37 r90; Top Overlay "2" at 11390.3,3862.2 h39.37 r90; Top Overlay "1" at 11390.3,3783.46 h39.37 r90; Notvisible "Edge of Daugher Card" at 12287.94,3945.87 h19.68 r90; Notvisible "Top Surface of Mother Board" at 12740.7,3900.59 h19.68 r90; Mechanical 14 "A" at 12195.42,3710.63 h39.37 r90; Mechanical 14 "B" at 12140.3,3710.63 h39.37 r90; Mechanical 14 "C" at 12085.19,3710.63 h39.37 r90; Mechanical 14 "D" at 12030.07,3710.63 h39.37 r90; Mechanical 14 "E" at 11974.95,3710.63 h39.37 r90; Mechanical 14 "F" at 11919.83,3710.63 h39.37 r90; Mechanical 14 "8" at 11390.3,4334.64 h39.37 r90; Mechanical 14 "7" at 11390.3,4255.9 h39.37 r90; Mechanical 14 "6" at 11390.3,4177.16 h39.37 r90; Mechanical 14 "5" at 11390.3,4098.42 h39.37 r90; Mechanical 14 "G" at 11864.71,3710.63 h39.37 r90; Mechanical 14 "H" at 11809.6,3710.63 h39.37 r90; Mechanical 14 "I" at 11754.48,3720.47 h39.37 r90; Mechanical 14 "4" at 11390.3,4019.68 h39.37 r90; Mechanical 14 "3" at 11390.3,3940.94 h39.37 r90; Mechanical 14 "J" at 11699.36,3710.63 h39.37 r90; Mechanical 14 "K" at 11644.24,3710.63 h39.37 r90; Mechanical 14 "2" at 11390.3,3862.2 h39.37 r90; Mechanical 14 "L" at 11589.12,3710.63 h39.37 r90; Mechanical 14 "1" at 11390.3,3783.46 h39.37 r90